# Altium PCB MCU025B.PcbDoc (part 1 of 3) (continued)
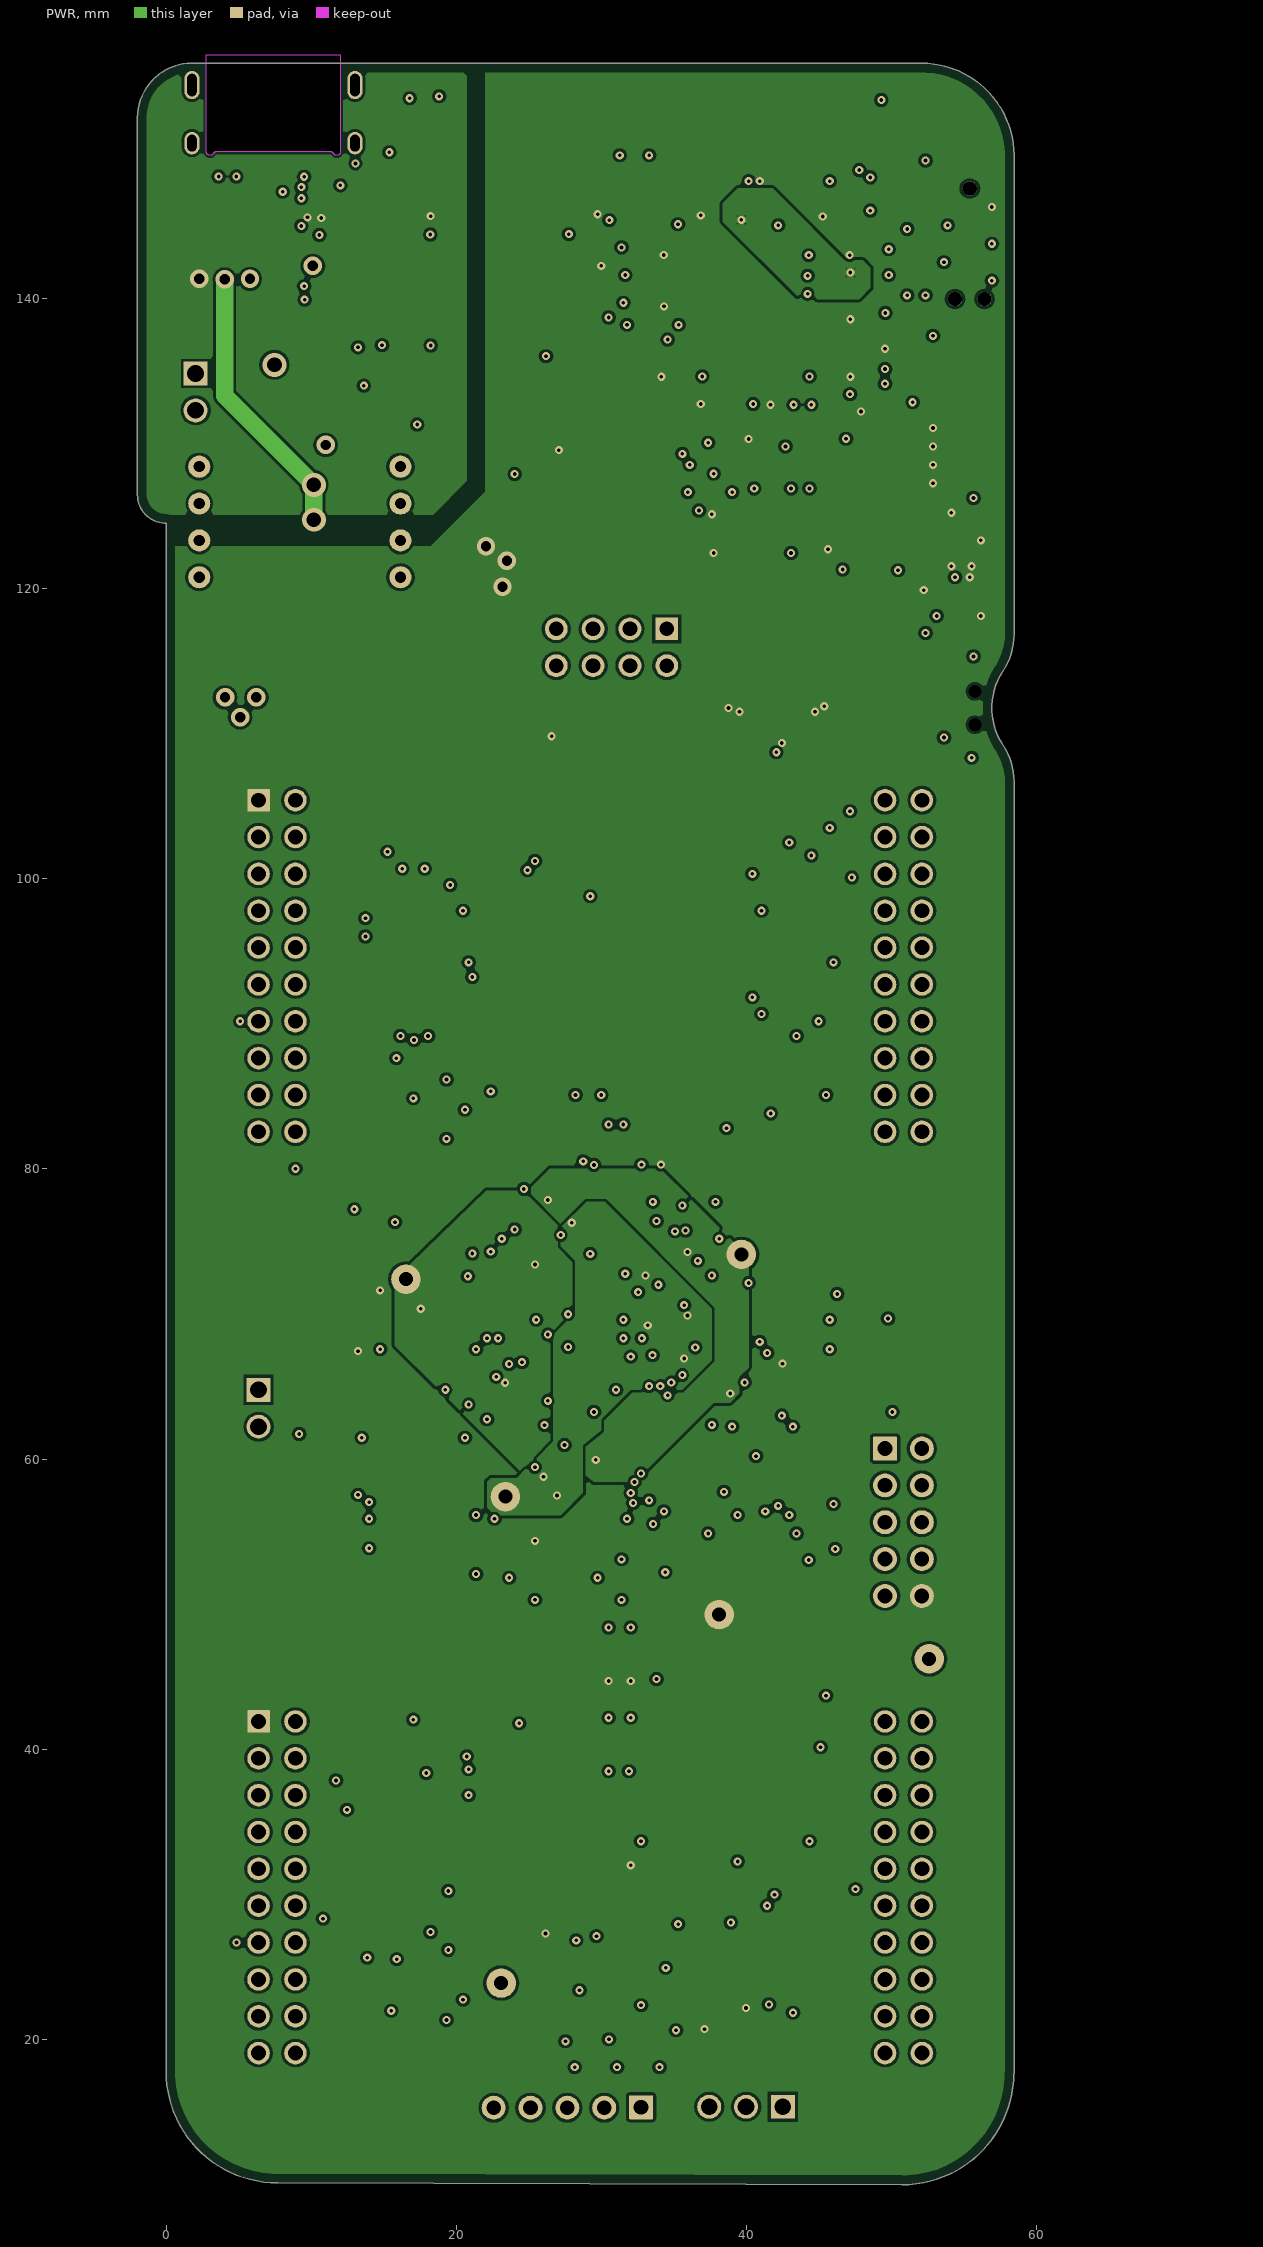
[diagram p4: PWR]
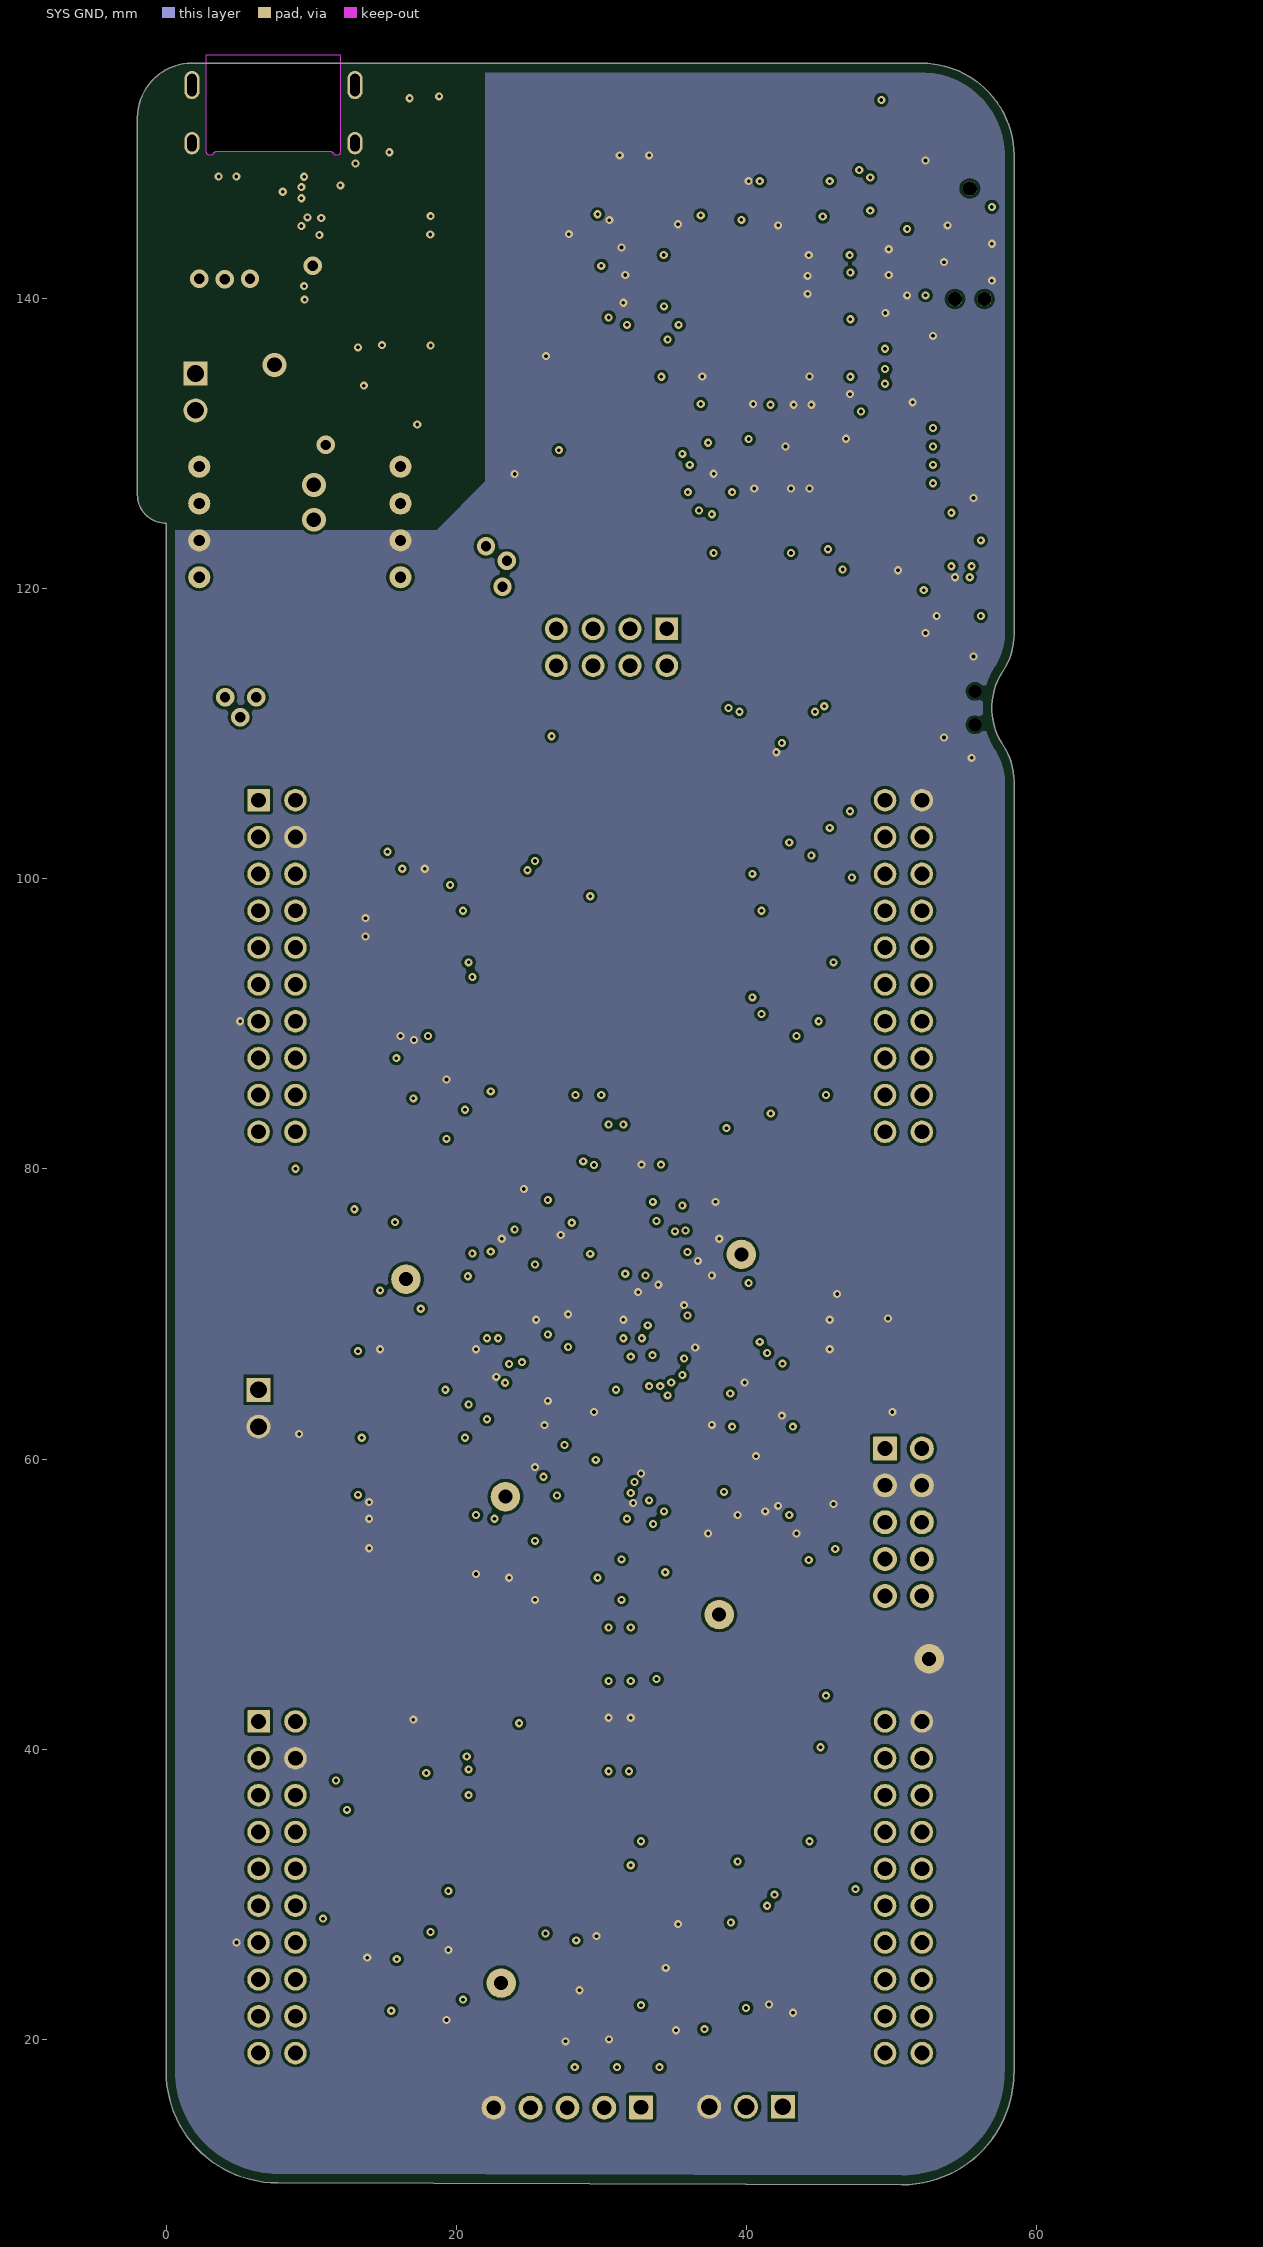
[diagram p5: SYS GND]

## Layer stack, top to bottom
Top Solder: solder mask 0.0102, Solder Resist, Dk 3.5
Top Signal: signal copper 0.0356
Dielectric 1: prepreg 0.1588, FR-4, Dk 4.2
ISO GND: signal copper 0.0356
Dielectric 2: core 0.4089, FR-4, Dk 4.2
Middle Signal: signal copper 0.0356
Dielectric 3: prepreg 0.2169, FR-4, Dk 4.2
PWR: signal copper 0.0356
Dielectric 4: core 0.4089, FR-4, Dk 4.2
SYS GND: signal copper 0.0356
Dielectric 5: prepreg 0.1588, FR-4, Dk 4.2
Bottom Signal: signal copper 0.0356
Bottom Solder: solder mask 0.0102, Solder Resist, Dk 3.5

## Board outline
-0.028,124.5 cw(c-0.028,126.472) -2,126.472 -2,126.5 -2,142.24 -2,152.444 cw(c1.766,152.444) 1.766,156.21 52.042,156.21 cw(c52.042,149.832) 58.42,149.832 58.42,116.84 cw(c53.806,116.84) 57.658,114.3 ccw(c61.51,111.76) 57.658,109.22 cw(c53.806,106.68) 58.42,106.68 58.42,17.675 58.403,17.675 cw(c50.7,17.675) 50.7,9.972 7.675,10.099 cw(c7.675,17.802) -0.028,17.802

## Design rules (kind name [scope] priority, off if disabled: settings)
AcuteAngle [All] p1: minimum=4.50000000000000E+0001 checktracksonly=TRUE
AssemblyTestPointUsage [All] p1: valid=2
BoardOutlineClearance BoardOutlineClearance_MountingHoles [OnCopper and InComponentClass('Mounting Holes')] p1: gap=1.016 ignorepadtopadclearanceinfootprint=FALSE
BoardOutlineClearance BoardOutlineClearance_Poly [OnCopper and IsPoly] p2: gap=0.635 ignorepadtopadclearanceinfootprint=FALSE
BoardOutlineClearance [OnCopper and Not InComponentClass('Logo') and not InComponentClass('FiducialMark') and not InRegion(1000,500,4000,800) and not InPoly] p3: gap=0.254 ignorepadtopadclearanceinfootprint=FALSE
Clearance Clearance_Boardedge [OnCopper and Not InComponentClass('Logo') and not InComponentClass('FiducialMark') and not IsKeepOut vs IsKeepOut] p1: gap=0.127 ignorepadtopadclearanceinfootprint=FALSE
Clearance Clearance_FiducialMark [InComponentClass('FiducialMark') vs InComponentClass('FiducialMark')] p2: gap=0 ignorepadtopadclearanceinfootprint=TRUE
Clearance Clearance_Keepouts [((IsTrack Or IsArc) And Not InPoly) And IsFree and IsKeepOut vs ((IsTrack Or IsArc) And Not InPoly) And IsFree and IsKeepOut] p3: gap=0.127 ignorepadtopadclearanceinfootprint=FALSE
Clearance Clearance_Poly [InPolygon] p4: gap=0.203 ignorepadtopadclearanceinfootprint=FALSE
Clearance [All] p5: gap=0.127 ignorepadtopadclearanceinfootprint=FALSE
ComponentClearance "ComponentClearance_overlay to overlay" [OnBottomSilkscreen vs OnTopSilkscreen] p1: gap=0 collisioncheckmode=3 verticalgap=0 showdistances=FALSE
ComponentClearance ComponentClearance_MountingHoles_FiducialMarks [InComponentClass('Mounting Holes') vs InComponentClass('FiducialMark')] p2: gap=1.27 collisioncheckmode=3 verticalgap=0.254 showdistances=FALSE
ComponentClearance ComponentClearance_Shunt [InComponentClass('Header') vs InComponentClass('Shunt')] p3: gap=0 collisioncheckmode=3 verticalgap=0 showdistances=FALSE
ComponentClearance ComponentClearance_Logo [InComponentClass('Logo')] p4: gap=0 collisioncheckmode=3 verticalgap=0 showdistances=FALSE
ComponentClearance ComponentClearance_Logo_1 [InComponentClass('Logo') vs InComponentClass('Logo')] p5: gap=0 collisioncheckmode=3 verticalgap=0 showdistances=FALSE
ComponentClearance ComponentClearance_ScrewToNut [(HasFootprint('NY PMS 440 0025 PH')) vs (HasFootprint('Keystone_1902C'))] p6: gap=0.127 collisioncheckmode=3 verticalgap=0.254 showdistances=FALSE
ComponentClearance ComponentClearance_MountingHoles [InComponentClass('Mounting Holes')] p7: gap=6.35 collisioncheckmode=3 verticalgap=2540 showdistances=FALSE
ComponentClearance ComponentClearance_SmallPassives [HasFootprint('0201*') or HasFootprint('0402*') or HasFootprint('0508') or HasFootprint('0603*') or HasFootprint('0612') or HasFootprint('0805*') or HasFootprint('0815*') or HasFootprint('0830*') or HasFootprint('1206*') or HasFootprint('1210*') or HasFootprint('1808*') or HasFootprint('1812*') or HasFootprint('1825*') or HasFootprint('2010*') or HasFootprint('2220*') or HasFootprint('2225*') or HasFootprint('2512*') or HasFootprint('2728*') or HasFootprint('3518*') vs HasFootprint('0201*') or HasFootprint('0402*') or HasFootprint('0508') or HasFootprint('0603*') or HasFootprint('0612') or HasFootprint('0805*') or HasFootprint('0815*') or HasFootprint('0830*') or HasFootprint('1206*') or HasFootprint('1210*') or HasFootprint('1808*') or HasFootprint('1812*') or HasFootprint('1825*') or HasFootprint('2010*') or HasFootprint('2220*') or HasFootprint('2225*') or HasFootprint('2512*') or HasFootprint('2728*') or HasFootprint('3518*')] p8: gap=0.254 collisioncheckmode=3 verticalgap=0 showdistances=FALSE
ComponentClearance ComponentClearance_THtoSMT [IsThruComponent vs IsSMTComponent] p9: gap=0.254 collisioncheckmode=3 verticalgap=0.254 showdistances=FALSE
ComponentClearance ComponentClearance_THtoTH [IsThruComponent vs IsThruComponent] p10: gap=0.508 collisioncheckmode=3 verticalgap=0.762 showdistances=FALSE
DiffPairsRouting [All] p1: maxlimit=2.54 minlimit=0.254 mostfreqgap=0.254 toplayer_minwidth=0.381 toplayer_maxwidth=0.381 toplayer_prefwidth=0.381 midlayer1_minwidth=0.381 midlayer1_maxwidth=0.381 midlayer1_prefwidth=0.381 midlayer2_minwidth=0.381 midlayer2_maxwidth=0.381 midlayer2_prefwidth=0.381 midlayer3_minwidth=0.381 midlayer3_maxwidth=0.381 midlayer3_prefwidth=0.381 midlayer4_minwidth=0.381 midlayer4_maxwidth=0.381 midlayer4_prefwidth=0.381 bottomlayer_minwidth=0.381 bottomlayer_maxwidth=0.381 bottomlayer_prefwidth=0.381 maxuncoupledlength=25.4
FabricationTestPointUsage TestPointUsage [All] p1: valid=2 allowmultiple=FALSE
FabricationTestpoint Testpoint [All] p1: side=3 testpointundercomponent=TRUE minsize=1.016 maxsize=2.54 preferedsize=1.524 minholesize=0 maxholesize=1.016 preferedholesize=0.813 testpointgrid=0.025 allowsidetop=TRUE allowsidebottom=TRUE usegrid=TRUE gridtolerance=0
FanoutControl Fanout_LCC [IsLCC] p1: bgadir=Out bgaviamode=Centered fanoutstyle=Auto fanoutdirection=Alternating viagrid=0.025 // Fanout_LCC (Default Rule)
FanoutControl Fanout_BGA [IsBGA] p2: bgadir=Out bgaviamode=Centered fanoutstyle=Auto fanoutdirection=Alternating viagrid=0.025 // Fanout_BGA (Default Rule)
FanoutControl Fanout_Default [All] p4: bgadir=Out bgaviamode=Centered fanoutstyle=Auto fanoutdirection=Alternating viagrid=0.025 // Fanout_Default (Default Rule)
FanoutControl Fanout_Small [(CompPinCount < 5)] p5: bgadir=Out bgaviamode=Centered fanoutstyle=Auto fanoutdirection=OutThenIn viagrid=0.025 // Fanout_Small (Default Rule)
HoleSize [All] p1: absolutevalues=TRUE maxlimit=6.375 minlimit=0.254 maxpercent=80.000 minpercent=20.000
MatchedLengths FSIRX [InNetClass('FSIRX')] p1: tolerance=0.635 checknetsindiffpair=FALSE checkdiffpairvsdiffpair=TRUE checkxsignals=TRUE checkothers=TRUE
MatchedLengths FSITX [InNetClass('FSITX')] p2: tolerance=0.635 checknetsindiffpair=FALSE checkdiffpairvsdiffpair=TRUE checkxsignals=TRUE checkothers=TRUE
MinimumAnnularRing MinimumAnnularRing_ThermalPadVias [IsVia and InAnyComponent] p1: minimumring=0.127
MinimumAnnularRing [All] p2: minimumring=0.152
MinimumSolderMaskSliver MinimumSolderMaskSliver_Logo [InComponentClass('Logo') vs InComponentClass('Logo')] p1: minsoldermaskwidth=0.018
MinimumSolderMaskSliver [All] p2: minsoldermaskwidth=0.076
PlaneClearance [All] p1: clearance=0.127
PlaneConnect [All] p1: planeconnectstyle=Relief reliefexpansion=0.254 reliefentries=4 reliefconductorwidth=0.635 reliefairgap=0.254
PolygonConnect [All] p1: connectstyle=Direct reliefconductorwidth=0.508 reliefentries=4 polygonreliefangle="90 Angle" airgapwidth=0.127
RoutingVias ThermalPadVias [IsVia and InAnyComponent] p1: holewidth=0.2 width=0.5 viastyle="Through Hole" minholewidth=0.2 minwidth=0.5 maxholewidth=0.33 maxwidth=0.6
RoutingVias [All] p2: holewidth=0.254 width=0.559 viastyle="Through Hole" minholewidth=0.254 minwidth=0.559 maxholewidth=1.016 maxwidth=1.651
SilkToBoardRegionClearance [Not ((IsComment or IsDesignator) And (Hide <> 'False')) and not InRegion(1000,500,4000,800)] p1:
SilkToSilkClearance SilkToSilkClearance_Pb-FreeLogo [(HasFootprint('Pb-Free_Overlay_Medium') OR HasFootprint('Pb-Free_Overlay_Small')) vs (HasFootprint('Pb-Free_Overlay_Medium') OR HasFootprint('Pb-Free_Overlay_Small'))] p1: silktosilkclearance=0
SilkToSilkClearance [All] p2: silktosilkclearance=0.076
SilkToSolderMaskClearance SilkToComponentPadClearance [(IsPad or IsFill or IsRegion) and InAnycomponent] p1: minsilkscreentomaskgap=0.076 clearancetoexposedcopper=TRUE
SilkToSolderMaskClearance "Silk to Solder Mask Opening" [All] p2: minsilkscreentomaskgap=0.076 clearancetoexposedcopper=TRUE
SolderMaskExpansion [All] p1: expansion=0.051 istentingtop=FALSE
Width Analog [InNetClass('Analog')] p1: maxlimit=0.635 minlimit=0.203 preferedwidth=0.203
Width [All] p2: maxlimit=1.2 minlimit=0.127 preferedwidth=0.508 minimp=50.000000 maximp=50.000000 favimp=50.000000 checkconnectedcopper=TRUE
14 further rules are at their usual default settings.

## Classes and differential pairs
net class Analog: ADCINA0 ADCINA1 ADCINA2 ADCINA3_P2I ADCINA4_P2OF ADCINA5 ADCINA6 ADCINA8_P6OF ADCINA9_P5I ADCINB0 ADCINB1 ADCINB2_P1I ADCINB3 ADCINB4_P4OF ADCINC0_P3I ADCINC1 ADCINC2 ADCINC3_P4I ADCINC4 ADCINC5_P6I ADCINC14 GND NetC26_2 NetC27_2 NetC28_2 NetC29_2 NetC30_2 NetC31_2 NetC32_1 NetC33_1 NetC34_1 NetC35_1 NetR13_2 NetR15_2 NetR23_1 NetR24_1 PGA135_GND PGA246_GND
component class MCU025B_XDS110_USB_Power: C1 C2 C3 C4 C5 C6 C7 C8 C65 C67 C68 C100 C101 C105 C106 F1 F2 F3 F4 F5 F6 F7 F8 J3 J4 JP1 JP10 L1 L4 L5 L100 L101 LED1 LED6 R1 R2 R3 R4 R5 R6 R7 R8 R100 R103 R104 S3 TP1 TP2 TP3 TP4 TP5 TP6 U3 U4 U5 U8 U11 U100
component class MCU025B_XDS110_Target_Interface: J101 J102 R57 U12
component class MCU025B_XDS110_MCU: C50 C51 C52 C53 C54 C55 C56 C57 C58 C59 C60 C61 C62 C63 C66 J10 LED2 LED3 R58 R59 R60 R61 R62 R63 R64 R65 R66 R67 R68 R70 R? U2 Y1
component class MCU025B_F280049C_Device: C9 C10 C11 C12 C13 C14 C15 C16 C17 C18 C19 C20 C21 C22 C23 C24 C25 C26 C27 C28 C29 C30 C31 C32 C33 C34 C35 C36 J15 L2 L3 R10 R11 R12 R13 R14 R15 R16 R17 R18 R19 R20 R21 R22 R23 R24 R25 R26 R27 U1
component class MCU025B_Connectors: C43 C44 C45 C49 J1 J2 J5 J6 J11 J12 J14 R48 R49 R50 R54 R55 R56 U10
component class MCU025B_AltRouting_Misc: C37 C38 C39 C40 C41 C42 LED4 LED5 R28 R29 R30 R31 R32 R33 R34 R35 R36 R37 R38 R39 R40 R41 R42 R43 R44 R45 R46 R47 R71 R72 S1 S2 S9 U6 U7 Y2
net class FSIRX: GPIO2_FSIRXD1 GPIO12_FSIRXD0 GPIO33_FSIRXCLK
net class FSITX: GPIO6_FSITXD0 GPIO7_FSITXCLK GPIO25_FSITXD1
component class MCU025B_Hardware: M1 M2 M3 M4 M5 M6 M9

## Components (designator, comment, footprint, x,y, rotation, side; value= is the part's Value field where it differs from the comment)
C1 "CL10B104KA8NFNC" FP-CL10-IPC_C 28.448,145.034 r270 top
C2 "CL10B104KA8NFNC" FP-CL10-IPC_C 30.226,143.764 r90 top
C3 "GRM188R61A106ME69D" FP-GRM188-0_15-MFG 13.605,121.629 r90 top
C4 "GRM188R61A106ME69D" FP-GRM188-0_15-MFG 5.761,121.908 r90 bottom
C5 "CC0805KKX7R5BB225" FP-CC0805-0_85-MFG 12.319,126.819 r90 bottom value="2.2 uF"
C6 "CL10B104KA8NFNC" FP-CL10-IPC_C 54.61,118.11 r180 top
C7 "CC0603KRX7R6BB103" FP-CC0603-DA-MFG 50.546,116.932 r180 top value="10 nF"
C8 "CC0603KRX7R6BB103" FP-CC0603-DA-MFG 50.902,122.533 r0 top value="10 nF"
C9 "GRM188R61A106ME69D" FP-GRM188-0_15-MFG 38.227,76.708 r225 bottom
C10 "GRM188R61A106ME69D" FP-GRM188-0_15-MFG 25.4,78.232 r45 bottom
C11 "CL10B104KA8NFNC" FP-CL10-IPC_C 37.147,74.676 r135 bottom
C12 "CL10B104KA8NFNC" FP-CL10-IPC_C 38.608,65.253 r225 bottom
C13 "CL10B104KA8NFNC" FP-CL10-IPC_C 29.464,61.642 r270 bottom
C14 "CL10B104KA8NFNC" FP-CL10-IPC_C 26.67,76.962 r45 bottom
C15 "CC0805KKX7R5BB225" FP-CC0805-0_85-MFG 14.224,68.58 r0 bottom value="2.2 uF"
C16 "CC0805KKX7R5BB225" FP-CC0805-0_85-MFG 25.4,65.278 r0 bottom value="2.2 uF"
C17 "CC0805KKX7R5BB225" FP-CC0805-0_85-MFG 27.432,72.644 r315 bottom value="2.2 uF"
C18 "CC0805KKX7R5BB225" FP-CC0805-0_85-MFG 25.908,71.374 r315 bottom value="2.2 uF"
C19 "GRM188R61A106ME69D" FP-GRM188-0_15-MFG 25.4,52.324 r270 top
C20 "GRM188R61A106ME69D" FP-GRM188-0_15-MFG 33.782,69.85 r135 bottom
C21 "CL10B104KA8NFNC" FP-CL10-IPC_C 28.194,74.973 r225 bottom
C22 "CL10B104KA8NFNC" FP-CL10-IPC_C 26.06,60.334 r135 bottom
C23 "CL10B104KA8NFNC" FP-CL10-IPC_C 36.923,66.929 r45 bottom
C24 "CL10B104KA8NFNC" FP-CL10-IPC_C 34.348,73.152 r315 bottom
C25 "CL10B104KA8NFNC" FP-CL10-IPC_C 36.957,71.628 r135 bottom
C26 "GRM1885C1H331JA01D" 0603 17.272,90.424 r0 bottom value=330pF
C27 "GRM1885C1H331JA01D" 0603 17.526,21.971 r180 bottom value=330pF
C28 "GRM1885C1H331JA01D" 0603 17.018,86.868 r270 bottom value=330pF
C29 "GRM1885C1H331JA01D" 0603 19.431,28.194 r90 bottom value=330pF
C30 "GRM1885C1H331JA01D" 0603 19.304,84.074 r270 bottom value=330pF
C31 "GRM1885C1H331JA01D" 0603 14.732,24.384 r0 bottom value=330pF
C32 "GRM1885C1H331JA01D" 0603 23.622,53.848 r270 bottom value=330pF
C33 "GRM1885C1H331JA01D" 0603 13.462,59.436 r270 bottom value=330pF
C34 "GRM1885C1H331JA01D" 0603 21.336,54.102 r270 bottom value=330pF
C35 "CC0805KKX7R5BB225" FP-CC0805-0_85-MFG 9.144,63.754 r270 top value="2.2 uF"
C36 "CC0805KKX7R5BB225" FP-CC0805-0_85-MFG 16.002,68.58 r180 top value="2.2 uF"
C37 "CL10B104KA8NFNC" FP-CL10-IPC_C 32.512,81.788 r270 top
C38 "GRM1555C1H150JA01D" 0402 40.163,57.478 r0 bottom value=15pF
C39 "GRM1555C1H150JA01D" 0402 41.941,61.034 r180 bottom value=15pF
C40 "CL10B104KA8NFNC" FP-CL10-IPC_C 55.626,124.75 r90 top
C41 "CL10B104KA8NFNC" FP-CL10-IPC_C 34.379,31.483 r90 bottom
C42 "CL10B104KA8NFNC" FP-CL10-IPC_C 34.438,23.241 r90 bottom
C43 "GRM155R71H102KA01D" 0402 33.348,20.624 r0 top value=1000pF
C44 "GRM155R71H102KA01D" 0402 30.427,20.624 r0 top value=1000pF
C45 "GRM155R71H102KA01D" 0402 27.506,20.624 r0 top value=1000pF
C49 "CL10B104KA8NFNC" FP-CL10-IPC_C 40.5,24.13 r0 bottom
C50 "CC0603KRX7R6BB103" FP-CC0603-DA-MFG 50.165,149.606 r180 top value="10 nF"
C51 "CC0603KRX7R6BB103" FP-CC0603-DA-MFG 40.386,147.32 r180 bottom value="10 nF"
C52 "CC0603KRX7R6BB103" FP-CC0603-DA-MFG 45.745,143.002 r180 bottom value="10 nF"
C53 "CC0603KRX7R6BB103" FP-CC0603-DA-MFG 45.72,134.62 r180 bottom value="10 nF"
C54 "CC0603KRX7R6BB103" FP-CC0603-DA-MFG 40.945,133.528 r180 bottom value="10 nF"
C55 "CC0603KRX7R6BB103" FP-CC0603-DA-MFG 35.56,134.62 r0 bottom value="10 nF"
C56 "CC0603KRX7R6BB103" FP-CC0603-DA-MFG 34.544,144.526 r90 bottom value="10 nF"
C57 "GRM155R61A105KE15D" 0402 32.766,142.443 r180 bottom value=1uF
C58 "CC0603KRX7R6BB103" FP-CC0603-DA-MFG 32.766,143.51 r180 bottom value="10 nF"
C59 "GRM155R60J225KE95D" 0402 45.669,141.58 r180 bottom value=2.2uF
C60 "GRM155R70J104KA01D" 0402 45.669,140.31 r180 bottom value=0.1uF
C61 "GRM155R61A105KE15D" 0402 40.894,144.78 r0 bottom value=1uF
C62 "GRM1555C1H120JA01D" 0402 51.562,143.764 r0 bottom value=12pF
C63 "GRM1555C1H120JA01D" 0402 51.562,141.224 r180 bottom value=12pF
C65 "47uF" FP-GRM31C-0_2-e0_3_0_8-IPC_C 10.973,133.498 r90 top
C66 "GRM155R70J104KA01D" 0402 50.546,133.096 r270 bottom value=0.1uF
C67 "10uf" FP-GRM21B-0_1-IPC_C 17.285,134.366 r90 top
C68 "CL10X475KQ8NNNC" FP-CL10-IPC_A 8.089,128.397 r90 top
C100 "GRM155R60J225KE95D" 0402 7.489,144.992 r0 top value=2.2uF
C101 "GRM155R71H332KA01D" 0402 16.764,152.146 r90 top value=3300pF
C105 "CL10B104KA8NFNC" FP-CL10-IPC_C 14.859,144.992 r270 top
C106 "CL10B104KA8NFNC" FP-CL10-IPC_C 12.818,143.719 r90 top
F1 "SMD1206B110TFT" SMD1206B110TFT-Footprint-1 1.595,146.542 r270 top
F2 "SMD1206B110TFT" SMD1206B110TFT-Footprint-1 6.465,143.51 r180 bottom
F3 "SMD1206B110TFT" SMD1206B110TFT-Footprint-1 4.728,115.951 r270 top
F4 "SMD1206B110TFT" SMD1206B110TFT-Footprint-1 19.888,120.777 r0 bottom
F5 "MF-MSMF110/16-2" FP-MF-MSMF110-16-MFG 3.632,138.786 r0 bottom value=0.04-0.21Ω
F6 "MF-MSMF110/16-2" FP-MF-MSMF110-16-MFG 6.854,132.186 r0 top value=0.04-0.21Ω
F7 "SMD1206B110TFT" SMD1206B110TFT-Footprint-1 8.089,139.792 r90 top
F8 "SMD1206B110TFT" SMD1206B110TFT-Footprint-1 6.121,132.613 r180 bottom
J1 "SSQ-110-03-T-D" BoosterPack_40pin_J1J3 7.62,93.98 r180 bottom locked
J2 "SSQ-110-03-T-D" BoosterPack_40pin_J2J4 50.8,93.98 r180 bottom locked (schematic designator J4)
J3 "GSB1C4621DS1HR" AMPHENOL_GSB1C4621DS1HR 7.375,154.7 r0 bottom
J4 "61300211121" WURTH_61300211121 2.009,133.549 r270 top
J5 "SSQ-110-03-T-D" BoosterPack_40pin_J1J3 7.62,30.48 r180 bottom locked
J6 "SSQ-110-03-T-D" BoosterPack_40pin_J2J4 50.8,30.48 r180 bottom locked (schematic designator J8)
J10 "TC2050-IDC-NL-FP" Tag_TC2050-NL 55.372,143.764 r180 bottom locked
J11 "TSW-105-07-G-D" TSW-105-07-G-D 50.8,55.642 r270 top
J12 "TSW-105-07-G-S" TSW-105-07-X-S 27.633,15.29 r180 top locked
J14 "61300311121" WURTH_61300311121 39.95,15.35 r180 top locked
J15 "61300211121" WURTH_61300211121 6.35,63.5 r270 top locked
J101 "HTSW-104-07-G-D" FP-HTSW-104-07-G-D-MFG 30.679,115.951 r180 top
J102 "FTSH-105-01-F-DV-K" Samtec_FTSH-105-01-x-DV-K 43.053,122.454 r270 top
L1 "SDR0403-2R2ML" BOUR-SDR0403-2_V 6.35,127.149 r180 bottom
L2 "BKP2125HS600-T" 0805 15.494,70.358 r0 bottom value="60 ohm"
L3 "BLM21PG221SN1D" 0805 25.654,56.642 r90 bottom value="220 ohm"
L4 "IHLP2525AHER4R7M01" FP-IHLP-2525AH-FP_2_413x3-MFG 21.18,135.877 r270 bottom
L5 "SDR0403-2R2ML" BOUR-SDR0403-2_V 11.777,125.857 r0 top
L100 "742792620" 0603 14.137,148.163 r0 top value="100 ohm"
L101 "742792620" 0603 4.793,146.05 r270 top value="100 ohm"
LED1 "150080SS75000" WL-SMCW_0805_150080xx75000 24.003,130.173 r90 top
LED2 "LTST-C170TBKT" LTST-C170TBKT_Blue 31.242,152.146 r270 top value=Blue
LED3 "LTST-C170TBKT" LTST-C170TBKT_Blue 33.274,152.146 r270 top value=Blue
LED4 "150080SS75000" WL-SMCW_0805_150080xx75000 40.878,113.661 r90 top
LED5 "LTST-C171GKT" LED_LTST-C171 43.18,113.563 r270 top value=Green